# KiCad board chicker.kicad_pcb
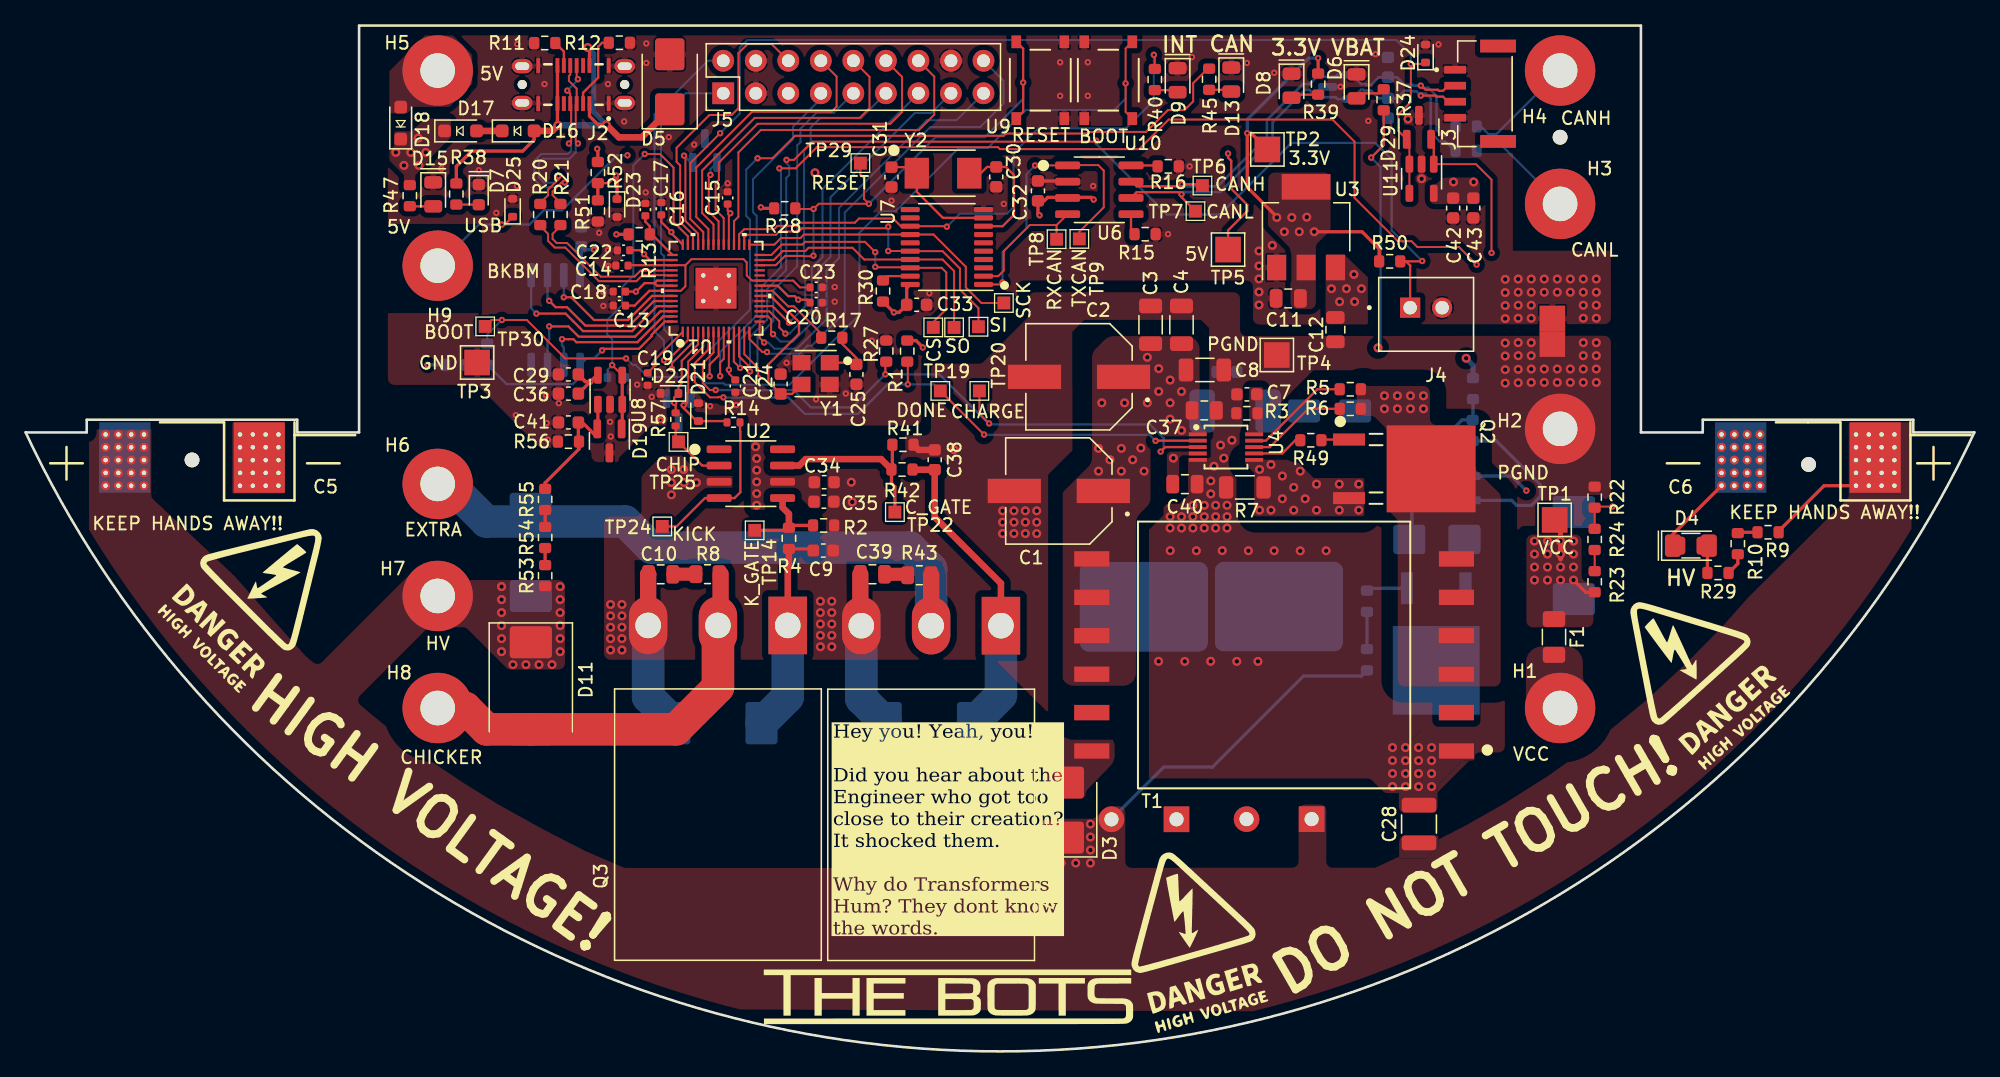
[diagram p0: board, top side]
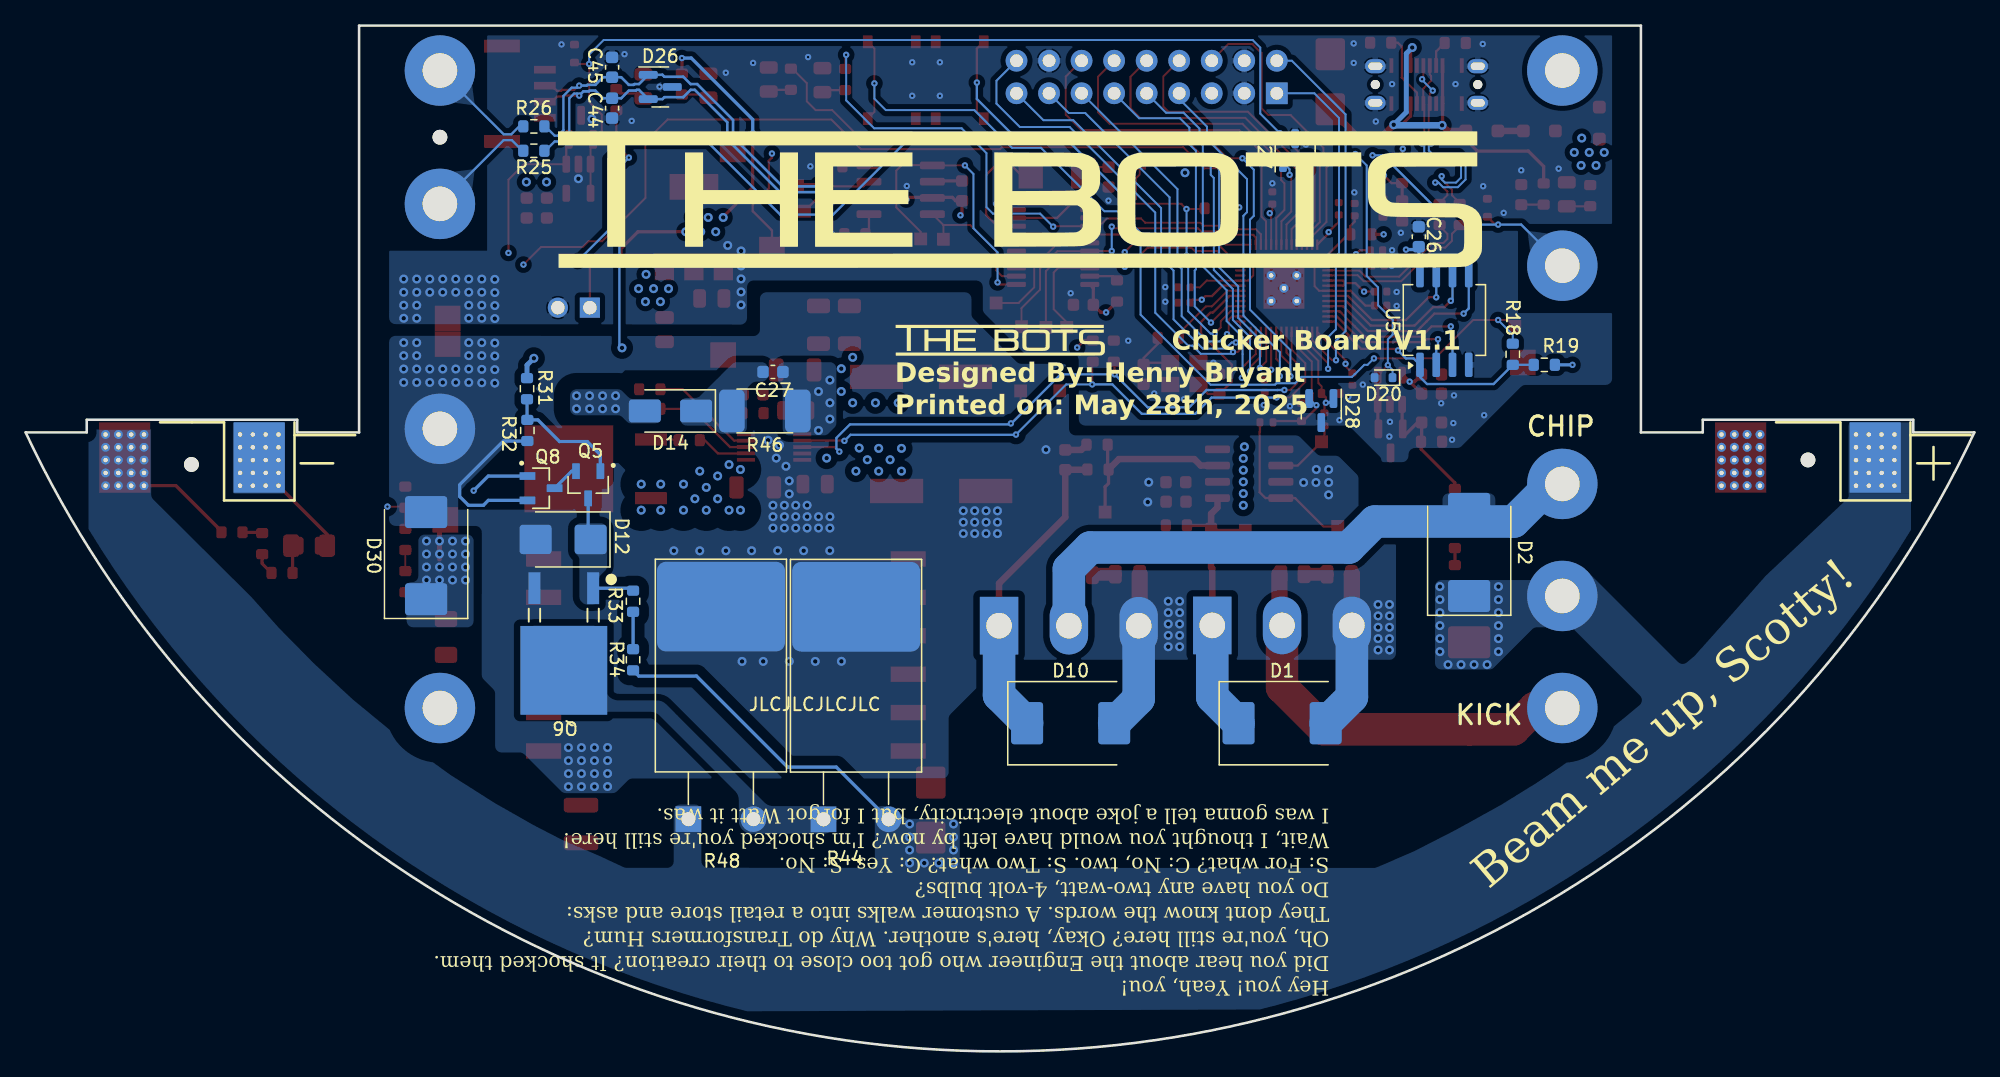
[diagram p1: board, bottom side, seen from below]

Outline 152.15 x 80.11 mm; copper layers: Top, In1.Cu (plane), In2.Cu (plane), Bottom. Coordinates in mm from the lower left corner of the outline.
Outline path: 4.77,49.33 4.77,48.34 0,48.34 arc(76.07,0) 152.15,48.34 147.38,48.34 147.38,49.33 130.94,49.33 130.94,48.34 126.11,48.34 126.11,80.11 26.04,80.11 26.04,48.34 21.21,48.34 21.21,49.33 4.77,49.33
Stack: Top 0.035mm / dielectric 0.1mm FR4 er 4.5 / In1.Cu 0.035mm / dielectric 1.2402mm FR4 er 4.5 / In2.Cu 0.035mm / dielectric 0.1mm FR4 er 4.5 / Bottom 0.035mm

## Placement (name value [footprint] x y rotation side)
C1  25SVPF100M_alternate  [CAP_25SVPF100M]  80.67 43.77 180 top
C2  25SVPF100M_alternate  [CAP_25SVPF100M]  82.24 52.68 180 top
C3  22u_1206  [C_1206_3216Metric]  87.83 56.75 90 top
C4  22u_1206  [C_1206_3216Metric]  90.24 56.75 90 top
C5  1000u  [CP_Radial_Horizontal_D25.4mm_H45mm]  12.99 49.33 0 top
C6  1000u  [CP_Radial_Horizontal_D25.4mm_H45mm_reversed]  139.16 49.33 0 top
C7  100p  [C_0603_1608Metric]  95.35 51.31 180 top
C8  22u_1206  [C_1206_3216Metric]  92.07 53.22 0 top
C9  0.1u  [C_0603_1608Metric]  62.27 39.11 0 top
C10  1500p  [C_0805_2012Metric]  49.58 37.26 180 top
C11  10u  [C_0805_2012Metric]  98.58 58.8 180 top
C12  10u  [C_0805_2012Metric]  102.26 56.36 270 top
C13  0.1u_0402  [C_0402_1005Metric]  46.36 58.24 180 top
C14  0.1u_0402  [C_0402_1005Metric]  46.56 61.37 180 top
C15  0.1u_0402  [C_0402_1005Metric]  54.81 66.65 90 top
C16  0.1u_0402  [C_0402_1005Metric]  49.63 65.81 90 top
C17  1u_0402  [C_0402_1005Metric]  48.38 65.74 90 top
C18  0.1u_0402  [C_0402_1005Metric]  46.35 59.34 180 top
C19  0.1u_0402  [C_0402_1005Metric]  48.56 52.5 270 top
C20  0.1u_0402  [C_0402_1005Metric]  61.72 58.47 0 top
C21  0.1u_0402  [C_0402_1005Metric]  55.41 51.96 270 top
C22  1u_0402  [C_0402_1005Metric]  46.68 62.56 180 top
C23  1u_0402  [C_0402_1005Metric]  61.72 59.67 0 top
C24  27p  [C_0603_1608Metric]  58.95 52.12 270 top
C25  27p  [C_0603_1608Metric]  64.86 52.87 90 top
C26  0.1u  [C_0603_1608Metric]  43.38 63.62 90 bottom
C27  0.1u  [C_0603_1608Metric]  93.8 53.06 0 bottom
C28  0.1u_600V  [C_1210_3225Metric]  108.79 17.76 90 top
C29  0.01u  [C_0603_1608Metric]  42.38 52.87 180 top
C30  22p  [C_0603_1608Metric]  75.78 68.3 270 top
C31  22p  [C_0603_1608Metric]  67.6 68.28 270 top
C32  0.1u  [C_0603_1608Metric]  79.04 67.2 90 top
C33  0.1u  [C_0603_1608Metric]  69.56 58.31 0 top
C34  0.1u  [C_0603_1608Metric]  62.34 44.45 0 top
C35  1u  [C_0603_1608Metric]  62.33 42.93 0 top
C36  1u  [C_0603_1608Metric]  42.38 51.37 180 top
C37  10u  [C_0805_2012Metric]  92.02 50.06 0 top
C38  0.1u  [C_0603_1608Metric]  70.98 46.2 90 top
C39  1500p  [C_0805_2012Metric]  66.12 37.26 180 top
C40  10u  [C_0805_2012Metric]  90.51 44.3 0 top
C41  0.01u  [C_0603_1608Metric]  42.38 49.12 180 top
C42  1u  [C_0603_1608Metric]  111.45 65.86 270 top
C43  0.01u  [C_0603_1608Metric]  113.03 65.86 270 top
C44  0.1u  [C_0603_1608Metric]  106.36 73.66 270 bottom
C45  0.1u  [C_0603_1608Metric]  106.36 76.85 270 bottom
D1  SMCJ16A  [D_SMC]  54.05 25.63 180 bottom
D2  MUR860J_alternate  [D_SMC]  39.44 38.97 90 bottom
D3  MURS160-E3/52T_alternate  [D_SMB]  81.48 18.85 90 top
D4  LED_red  [LED_1206MERGE0805]  130.02 39.49 0 top
D5  SMBJ5338B-TP_alternate  [D_SMB]  50.29 75.72 90 top
D6  LED  [LED_0805_2012Metric]  103.91 75.36 270 top
D7  LED_blue  [LED_0603_1608Metric]  35.38 66.91 270 top
D8  LED  [LED_0805_2012Metric]  98.84 75.41 270 top
D9  LED  [LED_0805_2012Metric]  89.94 75.85 270 top
D10  SMCJ16A  [D_SMC]  70.56 25.63 180 bottom
D11  MUR860J_alternate  [D_SMC]  39.44 28.55 270 top
D12  3SMBJ5929B-TP_alternate  [D_SMB]  110.18 39.98 0 bottom
D13  LED  [LED_0805_2012Metric]  94.13 75.9 270 top
D14  USM1  [D_SMA]  101.8 50.01 0 bottom
D15  LED  [LED_0805_2012Metric]  31.82 66.93 270 top
D16  220mV Schottky  [D_SOD-323_HandSoldering]  38.45 71.88 0 top
D17  220mV Schottky  [D_SOD-323_HandSoldering]  33.96 71.88 0 top
D18  220mV Schottky  [D_SOD-323_HandSoldering]  29.28 72.49 90 top
D19  H3V3HT2U  [SOT-23]  45.58 47.68 270 top
D20  BZT52C3V3T-7  [D_SOD-523]  46.13 52.62 0 bottom
D21  BZT52C3V3T-7  [D_SOD-523]  52.53 49.93 90 top
D22  BZT52C3V3T-7  [D_SOD-523]  50.27 51.38 180 top
D23  BZT52C3V3T-7  [D_SOD-523]  46.17 65.86 270 top
D24  BZT52C3V3T-7  [D_SOD-523]  109.3 77.93 90 top
D25  BZT52C3V3T-7  [D_SOD-523]  38.02 65.88 90 top
D26  H3V3HT2U  [SOT-23]  102.6 75.32 180 bottom
D27  H3V3HT2U  [SOT-23]  53.03 70.35 90 bottom
D28  H3V3HT2U  [SOT-23]  50.99 50.05 270 bottom
D29  H3V3HT2U  [SOT-23]  108.78 72.17 90 top
D30  SMCJ16A  [D_SMC]  120.88 38.72 90 bottom
F1  0501010.WR1  [Fuse_1206_3216Metric]  119.33 32.36 270 top
G***  -  [LOGO]  18.2 35.87 315 top
G***#2  -  [LOGO]  90.87 9.11 16 top
G***#3  -  [LOGO]  129.99 29.95 42 top
G***#4  -  [LOGO]  72.11 4.24 0 top
G***#5  -  [LOGO]  74.36 66.48 180 bottom
G***#6  -  [LOGO]  76.02 55.53 180 bottom
H1  VCC  [MountingHole_2.7mm_M2.5_DIN965_Pad]  119.8 26.82 0 top
H2  PGND  [MountingHole_2.7mm_M2.5_DIN965_Pad]  119.8 48.62 0 top
H3  CANL  [MountingHole_2.7mm_M2.5_DIN965_Pad]  119.8 66.19 0 top
H4  CANH  [MountingHole_2.7mm_M2.5_DIN965_Pad]  119.8 76.6 0 top
H5  5V  [MountingHole_2.7mm_M2.5_DIN965_Pad]  32.17 76.6 0 top
H6  EXTRA  [MountingHole_2.7mm_M2.5_DIN965_Pad]  32.17 44.32 0 top
H7  HV  [MountingHole_2.7mm_M2.5_DIN965_Pad]  32.17 35.57 0 top
H8  CHICKER  [MountingHole_2.7mm_M2.5_DIN965_Pad]  32.17 26.82 0 top
H9  BKBM  [MountingHole_2.7mm_M2.5_DIN965_Pad]  32.17 61.36 0 top
H10  -  [ToolingHoleJLC]  12.99 46.19 0 top
H11  -  [ToolingHoleJLC]  139.2 45.84 0 top
H12  -  [ToolingHoleJLC]  119.8 71.39 0 top
J2  USB4145-03-0170-C  [GCT_USB4145-03-0170-C_REVA2]  42.77 75.51 180 top
J3  -  [JST_BM04B-GHS-TBT]  114.96 74.79 90 top  (not fitted)
J4  JST_2P_LIMITSW  [JST_B2B-XH-A_LF__SN_]  109.34 57.56 180 top
J5  Conn_02x09_Counter_Clockwise  [PinHeader_2x09_P2.54mm_Vertical]  54.47 74.83 90 top  (not fitted)
NT1  NetTie_2  [NetTie-2_SMD_Pad2.0mm]  119.2 56.24 90 top
Q2  IRFR3410TRPBF_alternate  [DPAK-3_ONS]  109.74 45.49 270 top
Q3  FGH50T65SQD-F155  [TO-247-3_Horizontal_TabDown]  59.5 33.27 180 top
Q5  Q_TN2130K1-G_alternate  [SOT95P240X111-3N]  108.23 44.25 270 bottom
Q6  IPD60R3K4CEAUMA1_alternate  [DPAK-3_ONS]  110.13 29.76 0 bottom
Q7  FGH50T65SQD-F155  [TO-247-3_Horizontal_TabDown]  76.15 33.25 180 top  (not fitted)
Q8  Q_TN2130K1-G_alternate  [SOT95P240X111-3N]  111.91 43.98 180 bottom
R1  100k  [R_0603_1608Metric]  68.83 54.69 90 top
R2  10k  [R_0603_1608Metric]  62.3 41.07 0 top
R3  2.4k  [R_0603_1608Metric]  95.35 49.84 0 top
R4  75R  [R_0603_1608Metric]  59.59 40.07 270 top
R5  40.2k  [R_0603_1608Metric]  103.42 51.71 0 top
R6  33k  [R_0603_1608Metric]  103.42 50.18 0 top
R7  8m  [R_1206_3216Metric]  95.19 44.05 0 top
R8  2  [R_0805_2012Metric]  53.24 37.27 180 top
R9  100k  [R_0603_1608Metric]  136.04 40.54 0 top
R10  100k  [R_0603_1608Metric]  133.68 39.65 90 top
R11  5.1k  [R_0603_1608Metric]  40.53 78.75 180 top
R12  5.1k  [R_0603_1608Metric]  46.35 78.77 0 top
R13  200R  [R_0603_1608Metric]  47.9 63.81 180 top
R14  0R  [R_0402_1005Metric]  55.27 49.13 0 top
R15  10k  [R_0603_1608Metric]  87.4 63.82 0 top
R16  10k  [R_0603_1608Metric]  89.2 69.12 0 top
R17  1k  [R_0603_1608Metric]  62.94 55.73 180 top
R18  1k  [R_0603_1608Metric]  36.04 54.44 270 bottom
R19  10k  [R_0603_1608Metric]  33.58 53.62 180 bottom  (not fitted)
R20  33R  [R_0603_1608Metric]  40.18 65.36 90 top
R21  33R  [R_0603_1608Metric]  41.76 65.36 90 top
R22  R_200k  [R_0603_1608Metric]  122.5 43.28 90 top
R23  R_470k  [R_0603_1608Metric]  122.5 36.68 90 top
R24  R_470k  [R_0603_1608Metric]  122.5 39.98 90 top
R25  0ohm  [R_0603_1608Metric]  112.47 70.33 180 bottom
R26  0ohm  [R_0603_1608Metric]  112.47 72.24 180 bottom
R27  100k  [R_0603_1608Metric]  67.19 54.69 90 top
R28  10k  [R_0603_1608Metric]  59.27 65.84 0 top
R29  100k  [R_0603_1608Metric]  132.13 37.37 0 top
R30  10k  [R_0603_1608Metric]  66.94 59.38 90 top
R31  270k  [R_0603_1608Metric]  113 51.75 270 bottom
R32  100k  [R_0603_1608Metric]  112.98 48.49 270 bottom
R33  5.1M  [R_0603_1608Metric]  104.72 35.16 90 bottom
R34  5.1M  [R_0603_1608Metric]  104.72 30.58 90 bottom
R37  47k  [R_0603_1608Metric]  106.03 74.32 90 top
R38  820R  [R_0603_1608Metric]  33.63 66.96 270 top
R39  1k  [R_0603_1608Metric]  100.91 75.54 270 top
R40  510R  [R_0603_1608Metric]  88.16 75.9 270 top
R41  10k  [R_0603_1608Metric]  68.5 47.38 0 top
R42  75R  [R_0603_1608Metric]  68.43 45.44 0 top
R43  2  [R_0805_2012Metric]  69.77 37.19 180 top
R44  2k 35W  [TO-220-2_Horizontal_TabDown]  89.85 18.12 180 bottom
R45  510R  [R_0603_1608Metric]  92.4 75.92 90 top
R46  820R_3W  [R_2512_6332Metric]  94.43 50.01 0 bottom
R47  2k  [R_0603_1608Metric]  29.99 66.83 270 top
R48  2k 35W  [TO-220-2_Horizontal_TabDown]  100.4 18.14 180 bottom
R49  R_0OHM_JUMPER  [R_0603_1608Metric]  100.34 47.73 0 top
R50  100k  [R_0603_1608Metric]  106.5 61.7 0 top
R51  51k  [R_0603_1608Metric]  44.68 65.64 270 top
R52  30k  [R_0603_1608Metric]  44.68 68.63 270 top
R53  330k  [R_0603_1608Metric]  40.56 37.15 90 top
R54  330k  [R_0603_1608Metric]  40.56 40.13 90 top
R55  330k  [R_0603_1608Metric]  40.56 43.11 90 top
R56  13k  [R_0603_1608Metric]  42.38 47.62 180 top
R57  0R  [R_0402_1005Metric]  50.75 49.35 270 top
T1  DA2034  [DA2034-ALD_COC]  97.47 30.96 180 top
TP1  VCC  [TestPoint_Pad_2.0x2.0mm]  119.38 41.51 0 top
TP2  3.3V  [TestPoint_Pad_2.0x2.0mm]  96.95 70.44 0 top
TP3  GND  [TestPoint_Pad_2.0x2.0mm]  35.25 53.8 0 top
TP4  PGND  [TestPoint_Pad_2.0x2.0mm]  97.69 54.38 0 top
TP5  5V  [TestPoint_Pad_2.0x2.0mm]  93.88 62.62 0 top
TP6  CANH  [TestPoint_Pad_1.0x1.0mm]  91.88 67.62 0 top
TP7  CANL  [TestPoint_Pad_1.0x1.0mm]  91.34 65.62 0 top
TP8  RXCAN  [TestPoint_Pad_1.0x1.0mm]  80.49 63.43 0 top
TP9  TXCAN  [TestPoint_Pad_1.0x1.0mm]  82.27 63.45 0 top
TP10  SI  [TestPoint_Pad_1.0x1.0mm]  74.39 56.59 0 top
TP11  SO  [TestPoint_Pad_1.0x1.0mm]  72.49 56.54 0 top
TP12  CS  [TestPoint_Pad_1.0x1.0mm]  70.86 56.54 0 top
TP13  SCK  [TestPoint_Pad_1.0x1.0mm]  76.38 58.45 0 top
TP14  K_GATE  [TestPoint_Pad_1.0x1.0mm]  56.92 40.69 0 top
TP19  DONE  [TestPoint_Pad_1.0x1.0mm]  71.42 51.58 0 top
TP20  CHARGE  [TestPoint_Pad_1.0x1.0mm]  74.46 51.58 0 top
TP22  C_GATE  [TestPoint_Pad_1.0x1.0mm]  67.87 42.12 0 top
TP24  KICK  [TestPoint_Pad_1.0x1.0mm]  49.71 41 0 top
TP25  CHIP  [TestPoint_Pad_1.0x1.0mm]  50.98 47.6 0 top
TP29  RESET  [TestPoint_Pad_1.0x1.0mm]  65.17 69.37 0 top
TP30  BOOT  [TestPoint_Pad_1.0x1.0mm]  35.88 56.62 0 top
U1  RPI2040  [QFN56_7X7_RPI]  53.91 59.6 90 top
U2  MCP14A0454-E/SN_alternate  [SOIC-8_3.9x4.9mm_P1.27mm]  56.62 45.12 0 top
U3  AMS1117-3.3  [SOT-223-3_TabPin2]  99.97 64.37 90 top
U4  LT3750  [MSOP-10_3x3mm_P0.5mm]  93.71 47.19 0 top
U5  W25Q128JVSIQ  [SOIC-8_208mil]  41.38 57.12 90 bottom
U6  SN65HVD233  [SOIC-8_3.9x4.9mm_P1.27mm]  83.83 67.29 0 top
U7  MCP2515-xST  [TSSOP-20_4.4x6.5mm_P0.65mm]  71.93 62.82 180 top
U8  AMP_MCP6231UT_alternate  [SOT-23-5]  45.63 51.67 90 top
U9  -  [SW_TS-1187A-B-A-B]  79.22 75.85 90 top
U10  -  [SW_TS-1187A-B-A-B]  84.53 75.85 270 top
U11  AMP_MCP6231UT_alternate  [SOT-23-5]  108.99 68.15 270 top
Y1  XTAL-12MHZ-YXC  [SMD3225-4P]  61.68 52.93 180 top
Y2  ABM3-8.000MHZ-D2Y-T(alternate)  [ABM3]  71.63 68.58 0 top

## Library data of the parts
C1 C2 = -: Datasheet: EFVZ050ADA101M0865; JLC Extended: yes; LCSC: C33129640; Price: 0.2118; JLC: SMD,D8xL6.5mm; ki_fp_filters: PCAP_SVP_E7_PAN PCAP_SVP_E7_PAN-M PCAP_SVP_E7_PAN-L
C3 C4 C8 = -: JLC: 0805; JLC Extended: no; LCSC: C12891; MPN: CL31A226KAHNNNE; Manufacturer: Murata; Price: 0.0645; ki_fp_filters: C_*
C5 C6 = -: MPN: ESMQ251VSN102MQ45S; Manufacturer: Chemi-Con; Price: 9.07; ki_fp_filters: CP_*
C7 = -: JLC: 0603; JLC Extended: no; LCSC: C14858; MPN: CL10C101JB8NNNC; Manufacturer: Samsung Electro-Mechanics; Price: 0.0026; ki_fp_filters: C_*
C9 C26 C32-C34 C38 = -: JLC: 0603; JLC Extended: no; LCSC: C14663; MPN: CC0603KRX7R9BB104; Manufacturer: YAGEO; Price: 0.0021; ki_fp_filters: C_*
C10 C39 = -: Description: Unpolarized capacitor; JLC: 0805; LCSC: C1717; MPN: 0805B152K500NT; Manufacturer: FH (Guangdong Fenghua Advanced Tech); Price: 0.066; ki_fp_filters: C_*
C11 C12 C37 C40 = -: JLC: 0805; JLC Extended: no; LCSC: C440198; MPN: GRM21BR61H106KE43L; Manufacturer: Murata; Price: 0.0645; ki_fp_filters: C_*
C13-C16 C18-C21 = -: Description: Unpolarized capacitor; JLC: 0402; LCSC: C307331; MPN: CL05B104KB54PNC; ki_fp_filters: C_*
C17 C22 C23 = -: Description: Unpolarized capacitor; JLC: 0402; JLC Extended: no; LCSC: C52923; MPN: CL05A105KA5NQNC; Manufacturer: Samsung Electro-Mechanics; Price: 0.0046; ki_fp_filters: C_*
C24 C25 = -: JLC: 0603; JLC Extended: no; LCSC: C107045; MPN: CC0603JRNPO9BN270; Manufacturer: YAGEO; Price: 0.0027; ki_fp_filters: C_*
C27 C44 C45 = -: Description: Unpolarized capacitor; MPN: CC0603KRX7R9BB104; Manufacturer: YAGEO; Price: 0.0021; JLC: 0603; LCSC: C14663; JLC Extended: no; ki_fp_filters: C_*
C28 = -: JLC: 1210; JLC Extended: yes; LCSC: C2902776; MPN: C3225X7T2J104KT000N; Manufacturer: TDK; Price: 0.3623; ki_fp_filters: C_*
C29 C41 = -: JLC: 0603; JLC Extended: no; LCSC: C57112; MPN: 0603B103K500NT; Manufacturer: YAGEO; Price: 0.0021; ki_fp_filters: C_*
C30 C31 = -: JLC: 0603; JLC Extended: no; LCSC: C1653; MPN: CL10C220JB8NNNC; Manufacturer: Samsung Electro-Mechanics; Price: 0.0052; ki_fp_filters: C_*
C35 C36 = -: JLC: 0603; JLC Extended: no; LCSC: C15849; MPN: CL10A105KB8NNNC; Manufacturer: Samsung Electro-Mechanics; Price: 0.0046; ki_fp_filters: C_*
C42 = -: MPN: CL10A105KB8NNNC; Manufacturer: Samsung Electro-Mechanics; Price: 0.0046; JLC: 0603; LCSC: C15849; JLC Extended: no; ki_fp_filters: C_*
C43 = -: MPN: 0603B103K500NT; Manufacturer: YAGEO; Price: 0.0021; JLC: 0603; LCSC: C57112; JLC Extended: no; ki_fp_filters: C_*
D1 D10 = -: Description: TVS Surge Protection; JLC: SMC(DO-214AB); JLC Extended: yes; LCSC: C10249; Manufacturer: RUILON(Shenzhen Ruilongyuan Elec); Price: 0.3092; ki_fp_filters: TO-???* *_Diode_* *SingleDiode* D_*
D2 D11 = -: Description: Schottky diode; JLC: SMC; LCSC: C2940143; MPN: ES8J; Manufacturer: LGE; Price: 0.1641; JLC Extended: yes; ki_fp_filters: TO-???* *_Diode_* *SingleDiode* D_*
D3 = -: Description: 1.25V@1A 75ns 2A 600V SMB(DO-214AA) Diodes - Fast Recovery Rectifiers ROHS; JLC: SMB; LCSC: C18199134; MPN: US2MB; Manufacturer: hongjiacheng; Price: 0.0266; JLC Extended: no; ki_fp_filters: D*SMB*
D4 = -: JLC: 0805; JLC Extended: no; LCSC: C84256; MPN: NCD0805R1; Manufacturer: Foshan NationStar Optoelectronics; Price: 0.0122; ki_fp_filters: LED* LED_SMD:* LED_THT:*
D5 = -: Description: Zener diode; JLC: SMB; JLC Extended: no; LCSC: C19077493; MPN: SMBJ5338B; Manufacturer: hongjiacheng; Price: 0.149; ki_fp_filters: TO-???* *_Diode_* *SingleDiode* D_*
D6 D8 D15 = -: JLC: 0805; JLC Extended: no; LCSC: C2297; MPN: KT-0805G; Manufacturer: Hubei KENTO Elec; Price: 0.0127; ki_fp_filters: LED* LED_SMD:* LED_THT:*
D7 = -: JLC: 0603; JLC Extended: no; LCSC: C2290; MPN: KT-0603W; Manufacturer: Everlight Elec; Price: 0.0096; ki_fp_filters: LED* LED_SMD:* LED_THT:*
D9 D13 = -: Description: Light emitting diode; MPN: KT-0805Y; Manufacturer: Hubei KENTO Elec; Price: 0.0195; JLC: 0805; LCSC: C2296; JLC Extended: no; ki_fp_filters: LED* LED_SMD:* LED_THT:*
D12 = -: Description: Zener diode; JLC: SMBJ5352B-TP; LCSC: C151752; MPN: SMBJ5352B-TP; Manufacturer: Micro Commercial Co; Price: 0.2953; JLC Extended: yes; ki_fp_filters: TO-???* *_Diode_* *SingleDiode* D_*
D14 = -: JLC: SMA; JLC Extended: no; LCSC: C412437; Manufacturer: Vishay Intertech; Price: 0.1038; ki_fp_filters: D*SMB*
D16-D18 = -: JLC: SC-76(SOD-232); JLC Extended: yes; LCSC: C150183; MPN: CUS08F30,H3F; Manufacturer: Vishay Intertech; Price: 0.0612; ki_fp_filters: D*SMB*
D19 D26-D29 = -: Description: Zener diode ESD; Manufacturer: hongjiacheng; Price: 0.0379; JLC: SOT-23; LCSC: C20617924; extended: no; ki_fp_filters: TO-???* *_Diode_* *SingleDiode* D_*
D20 = -: Description: Zener diode; JLC: SOD-523; JLC Extended: no; LCSC: C19077462; MPN: BZX584C3V3; Manufacturer: hongjiacheng; Price: 0.0242; ki_fp_filters: TO-???* *_Diode_* *SingleDiode* D_*
D21-D25 = -: Description: Zener diode; MPN: BZX584C3V3; Manufacturer: hongjiacheng; Price: 0.0242; JLC: SOD-523; LCSC: C19077462; JLC Extended: no; ki_fp_filters: TO-???* *_Diode_* *SingleDiode* D_*
D30 = -: Description: TVS Surge Protection; Manufacturer: RUILON(Shenzhen Ruilongyuan Elec); Price: 0.3092; JLC: SMC(DO-214AB); LCSC: C10249; JLC Extended: yes; ki_fp_filters: TO-???* *_Diode_* *SingleDiode* D_*
F1 = -: Description: Fuse; JLC: 1206; JLC Extended: yes; LCSC: C207003; Manufacturer: Littelfuse; Price: 0.0992; ki_fp_filters: *Fuse*
H1-H12 = -: ki_fp_filters: MountingHole*Pad*
J2 = -: Description: USB-C (USB TYPE-C) USB 2.0 Receptacle Connector 24 (16+8 Dummy) Position Surface Mount, Through Hole; Manufacturer: GCT; Price: 1.61; MF: Global Connector Technology; MAXIMUM_PACKAGE_HEIGHT: 7.66mm; JLC: SMD; LCSC: C5181332; JLC Extended: yes
J3 = -: MPN: BM04B-GHS-TBT; Manufacturer: JST Sales America Inc.; Price: 0.31
J4 = -: ki_fp_filters: FUSE_3549-2_KEY
J5 = -: ki_fp_filters: Connector*:*_2x??_*
NT1 = -: ki_fp_filters: Net*Tie*
Q2 = -: Datasheet: https://www.st.com/resource/en/datasheet/stb15n80k5.pdf; Description: N-Channel 150 V 50A (Tc) 160W (Tj) Surface Mount TO-252AA; JLC: TO-252-2; JLC Extended: yes; LCSC: C2910347; MPN: CJU15N10; Manufacturer: Jiangsu Changjing Electronics Technology Co., Ltd.; Price: 0.2772; ki_fp_filters: TO?263*
Q3 Q7 = -: Datasheet: http://www.irf.com/product-info/datasheets/data/irg4pf50w.pdf; JLC: TO-247; LCSC: C132704; Manufacturer: onsemi; Price: 3.4798; ki_fp_filters: TO?247*
Q5 Q8 = -: Description: 240V 110mA 360mW 14Ω@10V,100mA 1.8V@56uA 1 N-Channel SOT-23 MOSFETs ROHS; JLC: SOT-23; JLC Extended: yes; LCSC: C151498; MPN: BSS131H6327; Manufacturer: Infineon Technologies; Price: 0.1162
Q6 = -: Description: MOSFET N-CH 600V 2.6A TO252-3; JLC: TO-252; JLC Extended: yes; LCSC: C5151746; MPN: SWD2N60DC; Manufacturer: Samwin; Price: 0.1941; ki_fp_filters: TO?263*
R1 R9 R10 R27 R29 R32 R50 = -: JLC: 0603; JLC Extended: no; LCSC: C25803; MPN: 0603WAF1003T5E; Manufacturer: UNI-ROYAL(Uniroyal Elec); Price: 0.0009; ki_fp_filters: R_*
R2 R19 R28 R30 R41 = -: JLC: 0603; JLC Extended: no; LCSC: C25804; MPN: 0603WAF1002T5E; Manufacturer: UNI-ROYAL(Uniroyal Elec); Price: 0.0008; ki_fp_filters: R_*
R3 = -: Description: Resistor; JLC: 0603; LCSC: C22940; MPN: 0603WAF2401T5E; Manufacturer: UNI-ROYAL(Uniroyal Elec); Price: 0.001; JLC Extended: no; ki_fp_filters: R_*
R4 R42 = -: Description: Resistor; JLC: 0603; JLC Extended: no; LCSC: C4275; MPN: 0603WAF750JT5E; Manufacturer: UNI-ROYAL(Uniroyal Elec); Price: 0.001; ki_fp_filters: R_*
R5 = -: Description: Resistor; JLC: 0603; LCSC: C12447; MPN: 0603WAF4022T5E; Manufacturer: UNI-ROYAL(Uniroyal Elec); Price: 0.0014; JLC Extended: no; ki_fp_filters: R_*
R6 = -: Description: Resistor; JLC: 0603; LCSC: C4216; MPN: 0603WAF3302T5E; Manufacturer: UNI-ROYAL(Uniroyal Elec); Price: 0.0014; ki_fp_filters: R_*
R7 = -: Description: Resistor; JLC: 1206; LCSC: C7420012; MPN: FRM121WFR008TM; Manufacturer: FOJAN; Price: 0.0422; JLC Extended: yes; ki_fp_filters: R_*
R8 R43 = -: Description: Resistor; JLC: 0805; LCSC: C17606; MPN: 0805W8F200KT5E; Manufacturer: UNI-ROYAL(Uniroyal Elec); Price: 0.0025; JLC Extended: no; ki_fp_filters: R_*
R11 R12 = -: JLC: 0603; JLC Extended: no; LCSC: C23186; MPN: 0603WAF5101T5E; Manufacturer: UNI-ROYAL(Uniroyal Elec); Price: 0.0009; ki_fp_filters: R_*
R13 = -: JLC: 0603; LCSC: C8218; MPN: 0603WAF2000T5E; Manufacturer: UNI-ROYAL(Uniroyal Elec); Price: 0.0009; ki_fp_filters: R_*
R14 R57 = -: Description: Resistor; MPN: 0402WGF0000TCE; Manufacturer: UNI-ROYAL(Uniroyal Elec); Price: 0.001; JLC: 0603; LCSC: C17168; JLC Extended: no; ki_fp_filters: R_*
R15 R16 = -: MPN: 0603WAF1002T5E; Manufacturer: UNI-ROYAL(Uniroyal Elec); Price: 0.0008; JLC: 0603; LCSC: C25804; JLC Extended: no; ki_fp_filters: R_*
R17 R18 R39 = -: JLC: 0603; LCSC: C21190; MPN: 0603WAF1001T5E; Manufacturer: UNI-ROYAL(Uniroyal Elec); Price: 0.0007; ki_fp_filters: R_*
R20 R21 = -: Description: Resistor; JLC: 0603; JLC Extended: no; LCSC: C23140; MPN: 0603WAF330JT5E; Manufacturer: UNI-ROYAL(Uniroyal Elec); Price: 0.0009; ki_fp_filters: R_*
R22 = -: Description: Resistor; JLC: 0603; JLC Extended: no; LCSC: C25811; MPN: 0603WAF2003T5E; Manufacturer: UNI-ROYAL(Uniroyal Elec); Price: 0.0009; ki_fp_filters: R_*
R23 R24 = -: JLC: 0603; JLC Extended: no; LCSC: C23178; MPN: 0603WAF4703T5E; Manufacturer: UNI-ROYAL(Uniroyal Elec); Price: 0.0009; ki_fp_filters: R_*
R25 R26 R49 = -: Description: Resistor; JLC: 0603; JLC Extended: no; LCSC: C21189; MPN: 0603WAF0000T5E; Manufacturer: UNI-ROYAL(Uniroyal Elec); Price: 0.001; ki_fp_filters: R_*
R31 = -: JLC: 0603; JLC Extended: no; LCSC: C22965; MPN: 0603WAF2703T5E; Manufacturer: UNI-ROYAL(Uniroyal Elec); Price: 0.0009; ki_fp_filters: R_*
R33 R34 = -: JLC: 0603; JLC Extended: no; LCSC: C13320; MPN: 0603WAF5104T5E; Manufacturer: UNI-ROYAL(Uniroyal Elec); Price: 0.0013; ki_fp_filters: R_*